# Altium PCB AD-FMComms3_revA.PcbDoc (part 3 of 6)
Units mil, origin at the board's own origin, x right, y up, seen from the top; angles counter-clockwise.
Board outline 3311.81 x 2716.54 mil, 10 copper layers (TOP, L2_GND, L3_PWR, L4_GND, L5_SIG, L6_SIG, L7_GND, L8_PWR, L9_GND, BOTTOM), stack 60.05 mil thick; 211 components, 138 nets, 808 pads, 812 vias.
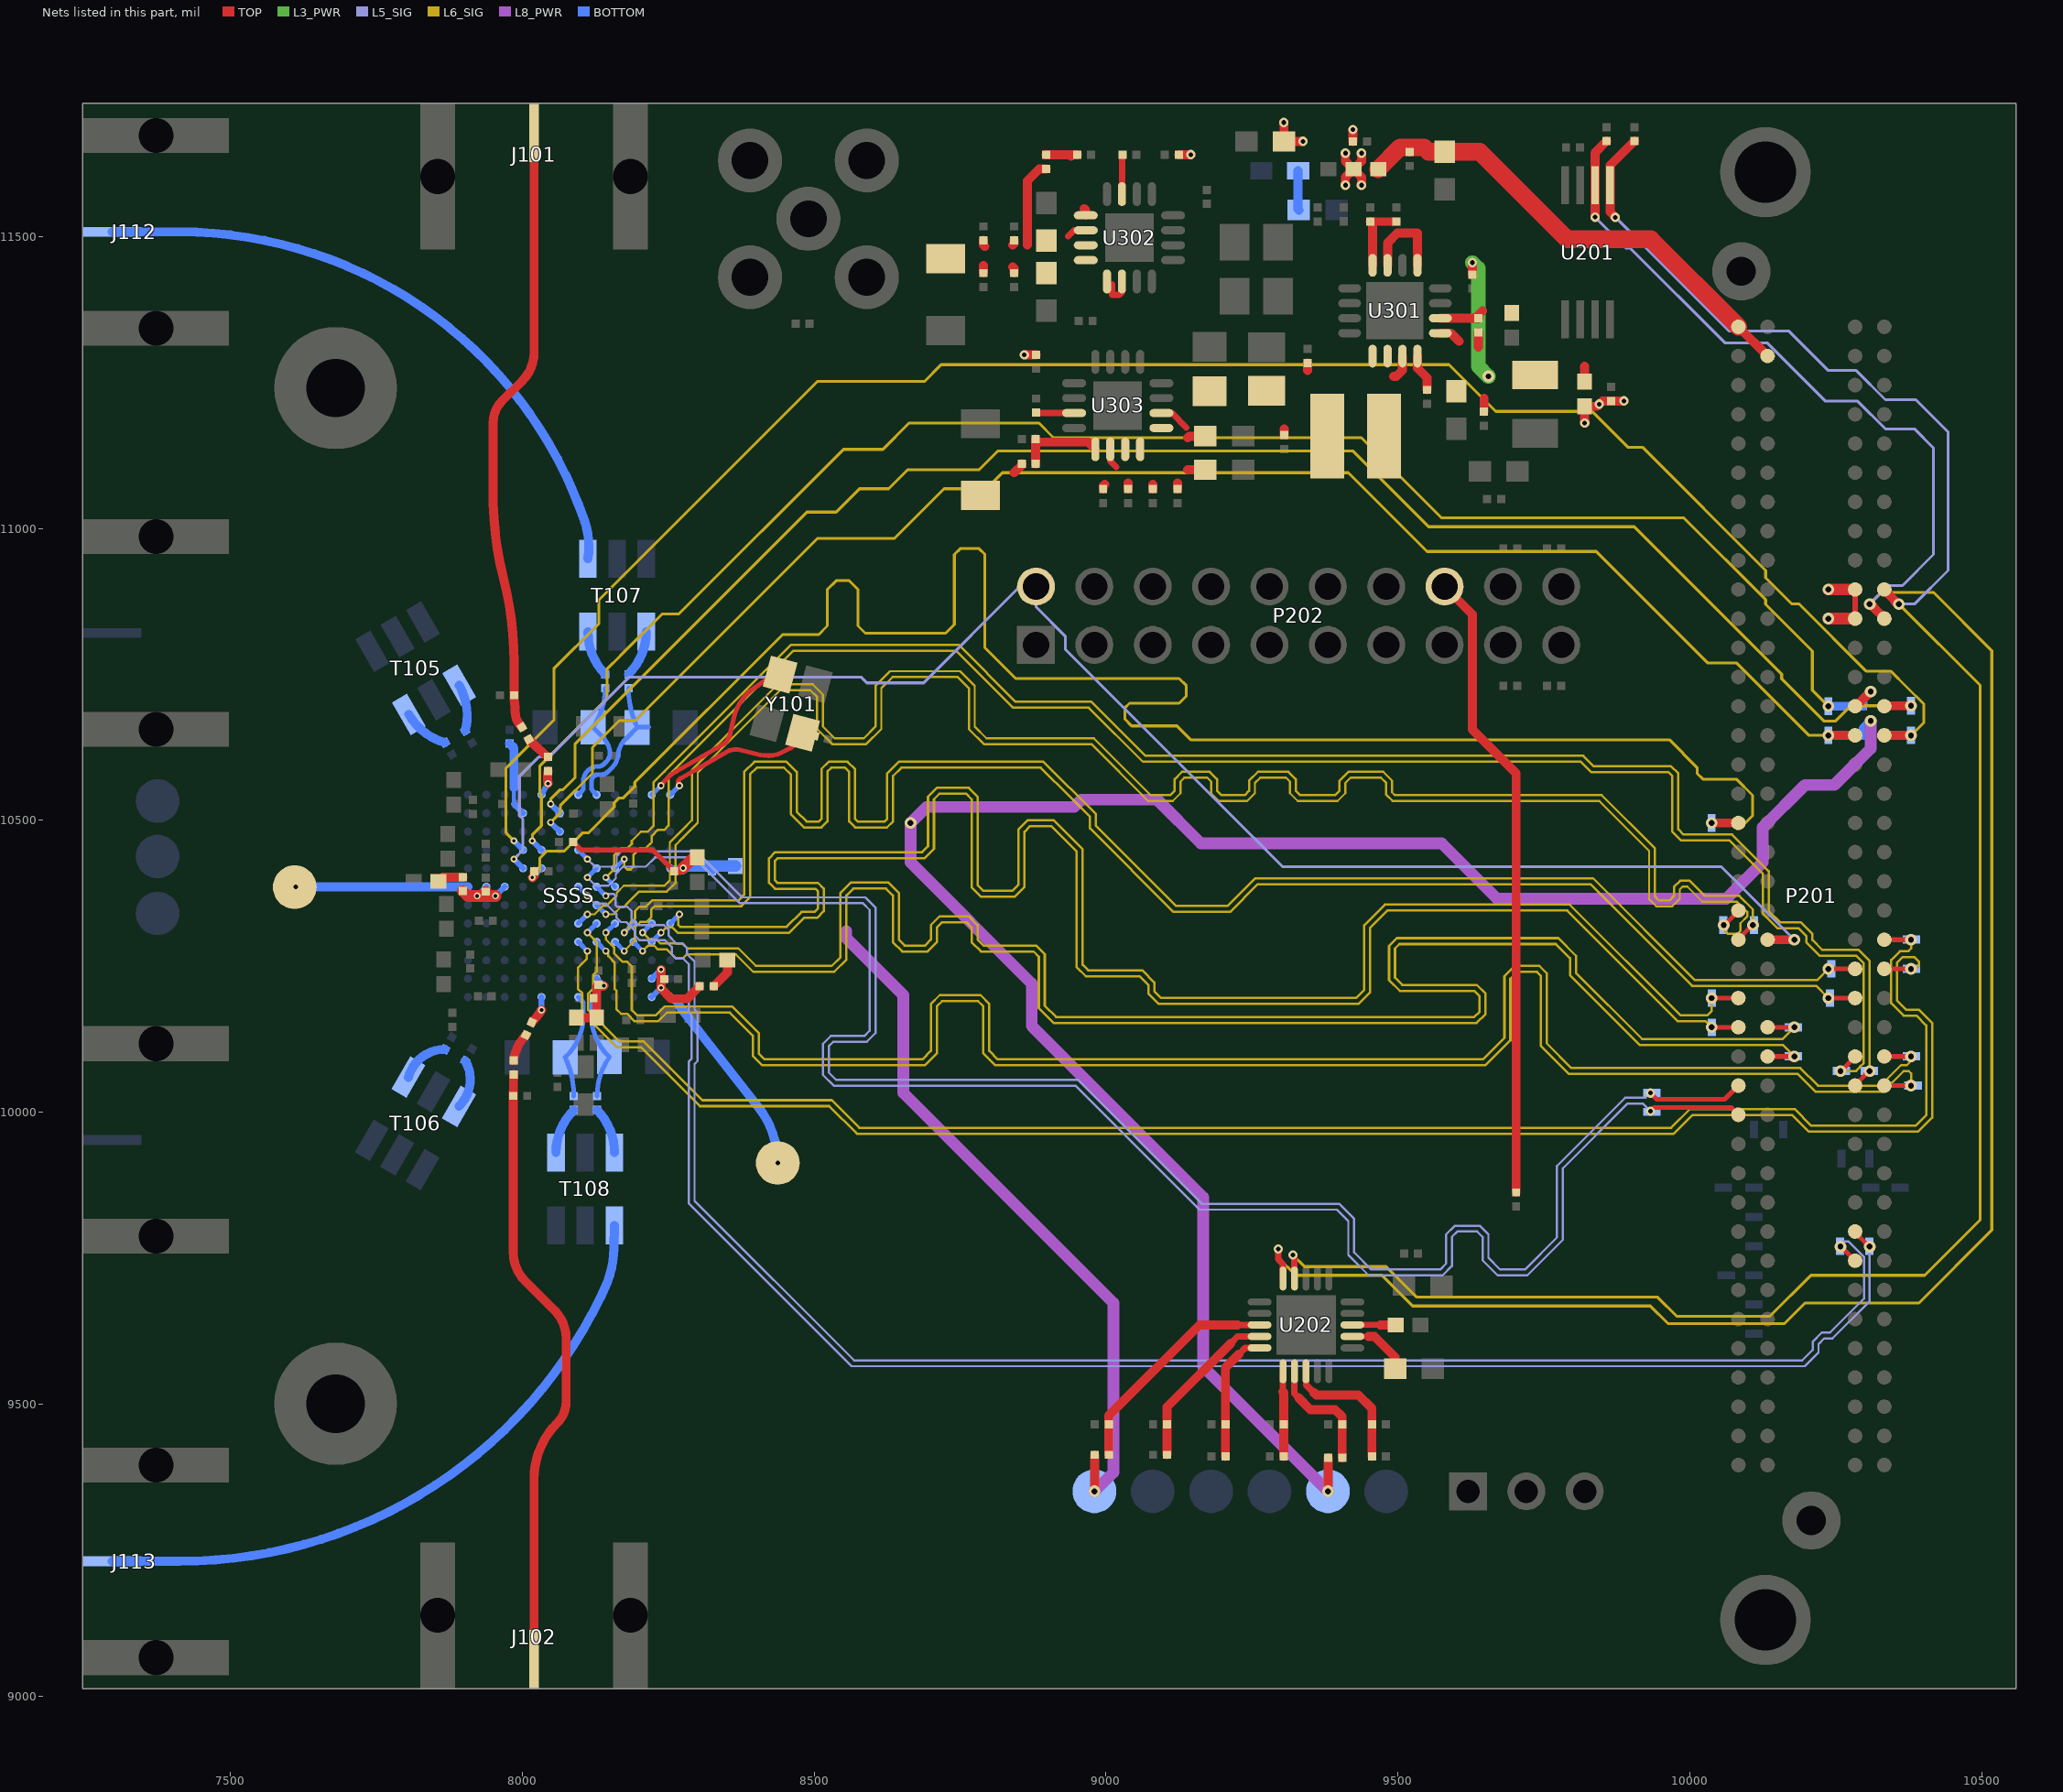
[diagram p11: the nets of this part, all layers, seen from the top]

## Via types
v1: diameter 20, hole 10, TOP to BOTTOM, 458 vias
v2: diameter 16, hole 8, TOP to BOTTOM, 196 vias
v3: diameter 12, hole 6, TOP to BOTTOM, 135 vias
v4: diameter 28, hole 12, TOP to BOTTOM, 19 vias
v5: diameter 210, hole 160, TOP to BOTTOM, 2 vias
v6: diameter 155, hole 105, TOP to BOTTOM, 2 vias

## Nets (pads, with @x,y where several pads share a name; then routed paths per layer and width w, separated by ;. In a path a pad name is that pad's centre, name@x,y a point inside that pad or via, vN(x,y) a via of type N, cw(c..) or ccw(c..) an arc to the next point about the centre after c; other vN are vias at no path point) (continued)
RX_D5_N: P201.H14 SSSS.J7 TP206.1 | length 2987.4
  TOP w8: v2(9932.5,10032.78) 9943.28,10022 10059.77,10022 P201.H14@10083.27,10045.5
  L5_SIG w3.8: v3(8111.49,10433.5) 8124.48,10420.51 8157.5,10420.51 8161.58,10424.59 8161.58,10438.83 8169.13,10446.38 8183.37,10446.38 8183.48,10446.49 8298.29,10446.49 8376.78,10368 8587.5,10368 8605,10350.5 8605,10135.5 8590,10120.5 8532.5,10120.5 8525,10113 8525,10068 8537.5,10055.5 8951.65,10055.5 9164.15,9843 9399.6,9843 9425,9817.6 9425,9759.65 9454.15,9730.5 9572.5,9730.5 9582.5,9740.5 9582.5,9790.5 9597.5,9805.5 9640,9805.5 9655,9790.5 9655,9750.5 9675,9730.5 9717.5,9730.5 9772.5,9785.5 9772.5,9908 9889.28,10024.78 9924.5,10024.78 v2(9932.5,10032.78)
  BOTTOM w8: SSSS.J7@8095.75,10449.24 v3(8111.49,10433.5)
RX_D5_P: P201.H13 SSSS.H8 TP205.1 | length 2989.1
  TOP w8: v2(9932.5,10001.58) 9938.92,10008 10070.77,10008 P201.H13@10083.27,9995.5
  L5_SIG w3.8: v3(8111.5,10402) 8125.5,10388 8147.5,10388 8160,10400.5 8160,10408 8172.07,10420.07 8172.07,10420.33 8172.32,10420.58 8200.62,10420.58 ; 8200.63,10420.59 8211.33,10420.59 8227.23,10436.49 8294.14,10436.49 8372.63,10358 8583.35,10358 8595,10346.35 8595,10139.65 8585.85,10130.5 8528.35,10130.5 8515,10117.15 8515,10063.85 8533.35,10045.5 8947.5,10045.5 9160,9833 9395.45,9833 9415,9813.45 9415,9755.5 9450,9720.5 9576.65,9720.5 9592.5,9736.35 9592.5,9786.35 9601.65,9795.5 9635.85,9795.5 9645,9786.35 9645,9746.35 9670.85,9720.5 9721.65,9720.5 9782.5,9781.35 9782.5,9903.85 9893.43,10014.78 9919.3,10014.78 v2(9932.5,10001.58)
  BOTTOM w8: v3(8111.5,10402) SSSS.H8@8127.24,10417.74
RX_EXT_LO: SSSS.G1 TP102.1 | length 294.9
  BOTTOM w15.5: v2(7611.99,10386.01) 7809.26,10386.01 7809.5,10386.25 SSSS.G1@7906.77,10386.25
RX_FRAME_N: P201.D9 SSSS.G7 TP221.1 | length 2997.5
  TOP w8: P201.D9@10283.27,9795.5 10283.27,9793.86 10301.81,9775.32 10301.81,9773.68 v1(10308.27,9769.68)
  L5_SIG w3.8: v3(8111.49,10370.51) 8124.85,10357.15 8143.09,10357.15 8161.14,10339.1 8161.14,10333.2 8168.69,10325.65 8178.2,10325.65 8193.09,10310.76 8193.09,10302.17 8200.64,10294.62 8211.34,10294.62 8232.11,10294.61 8244.24,10294.6 8256.08,10282.76 8256.08,10270.66 8263.63,10263.11 8275.74,10263.11 8285,10253.85 8285,10171.35 8290,10166.35 8290,10091.65 8285,10086.65 8285,9843.85 8564.07,9564.78 10196.78,9564.78 10220.55,9588.55 10220.55,9602.51 10230.44,9612.4 10244.4,9612.4 10308.27,9676.27 v1(10308.27,9769.68)
  BOTTOM w8: SSSS.G7@8095.75,10386.25 v3(8111.49,10370.51)
RX_FRAME_P: P201.D8 SSSS.G8 TP220.1 | length 3000.3
  TOP w8: v1(10258.27,9769.68) 10264.73,9765.68 10264.73,9764.04 P201.D8@10283.27,9745.5
  L5_SIG w3.8: v3(8142.98,10370.51) 8146.22,10373.75 8156.75,10373.75 8159.44,10371.06 8159.44,10354.95 8162.49,10351.9 8179.84,10351.9 8187.39,10344.35 8187.39,10330.62 8197.59,10320.42 8211.34,10320.42 8242.83,10320.41 8250.38,10312.86 8250.38,10302.61 8264.08,10288.91 8274.33,10288.91 8281.88,10281.36 8281.88,10271.12 8295,10258 8295,10175.5 8300,10170.5 8300,10087.5 8295,10082.5 8295,9848 8568.22,9574.78 10192.63,9574.78 10210.55,9592.7 10210.55,9606.66 10226.29,9622.4 10240.25,9622.4 10298.27,9680.42 10298.27,9752.23 10271.73,9778.77 10262.81,9778.77 10258.27,9774.23 v1(10258.27,9769.68)
  BOTTOM w8: SSSS.G8@8127.24,10386.25 v3(8142.98,10370.51)
SCL: P201.C30 R211.1 U201.6 U202.15 | length 3900.7
  TOP w11: v2(9295,9765.5) 9295,9748 9303.13,9739.87 U202.15@9303.13,9715
  TOP w15.5: v2(9837.8,11533.3) U201.6@9837.8,11587.96 9837.8,11643.8 R211.1@9857.5,11663.5 ; v1(10308.27,10870.5) 10314.73,10866.5 10314.73,10864.86 10333.27,10846.32 P201.C30@10333.27,10845.5
  L5_SIG w4.9: v2(9837.8,11533.3) 9890.6,11480.5 9897.5,11480.5 10060,11318 10132.5,11318 10232.5,11218 10287.5,11218 10335,11170.5 10385,11170.5 10417.5,11138 10417.5,10955.5 10364.23,10902.23 10340,10902.23 v1(10308.27,10870.5)
  L6_SIG w4.9: v2(9295,9765.5) 9295,9750.5 9325,9720.5 9472.5,9720.5 9525,9668 9932.5,9668 9962.5,9638 10162.5,9638 10197.5,9673 10392.5,9673 10517.5,9798 10517.5,10790.5 10417.5,10890.5 10328.27,10890.5 v1(10308.27,10870.5)
SDA: P201.C31 R212.1 U201.5 U202.14 | length 3699.2
  TOP w11: v2(9320,9755.5) 9322.81,9752.69 U202.14@9322.81,9715
  TOP w15.5: v2(9872.5,11533) 9863.39,11542.11 U201.5@9863.39,11587.96 9863.39,11621.89 R212.1@9905,11663.5 ; P201.C31@10333.27,10895.5 10333.27,10894.68 10351.81,10876.14 10351.81,10874.5 v1(10358.27,10870.5)
  L5_SIG w4.9: v2(9872.5,11533) 10067.5,11338 10170,11338 10237.5,11270.5 10285,11270.5 10335,11220.5 10387.5,11220.5 10442.5,11165.5 10442.5,10928 10385,10870.5 v1(10358.27,10870.5)
  L6_SIG w4.9: v2(9320,9755.5) 9340,9735.5 9480,9735.5 9532.5,9683 9945,9683 9977.5,9650.5 10137.5,9650.5 10207.5,9720.5 10402.5,9720.5 10497.5,9815.5 10497.5,10731.27 v1(10358.27,10870.5)
SPI_CLK: R225.2 SSSS.J5 TP229.1 | length 2896.5
  L6_SIG w4.9: v3(8017.01,10464.99) 8017.01,10475.01 8032.5,10490.5 8032.5,10543 8030,10545.5 8030,10593.5 8145,10708.5 8145,10758.75 8167.53,10781.28 8167.53,10781.46 8239.53,10853.46 8267.96,10853.46 8550,11135.5 8617.5,11135.5 8662.5,11180.5 8885,11180.5 8910,11155.5 9437.5,11155.5 9575,11018 9990,11018 10130,10878 10130,10869.91 10210,10789.91 10210,10722.95 v1(10237.45,10695.5)
  BOTTOM w15.5: v1(10237.45,10695.5) R225.2@10273,10695.5
SPI_DI: P201.C26 SSSS.J4 TP236.1 | length 3277.6
  TOP w15.5: P201.C26@10333.27,10645.5 v1(10379.09,10645.5)
  L6_SIG w4.9: v3(7985.51,10464.99) 7972.06,10478.44 7972.06,10589.5 8054,10671.44 8054,10759.8 8131.25,10837.05 8131.25,10877.75 8505.25,11251.75 8688.75,11251.75 8717.5,11280.5 9587.5,11280.5 9667.5,11200.5 9832.5,11200.5 9893.75,11139.25 9918.75,11139.25 10130,10928 10130,10915.5 10175,10870.5 10187.5,10870.5 10302.79,10755.21 10344.7,10755.21 10371.86,10728.05 10372.04,10728.05 10401.15,10698.94 10401.15,10667.56 v1(10379.09,10645.5)
SPI_DO: P201.C27 SSSS.L6 TP237.1 | length 2874.3
  TOP w15.5: P201.C27@10333.27,10695.5 10333.27,10696.32 v1(10379.09,10696.32)
  L6_SIG w4.9: v3(8048.5,10527.98) 8048.5,10536.5 8064.55,10552.55 8069.82,10552.55 8090,10572.73 8090,10630.5 8487.5,11028 8537.5,11028 8577.5,11068 8627.5,11068 8660,11100.5 8782.5,11100.5 8815,11133 9422.5,11133 9552.5,11003 9905,11003 10157.5,10750.5 10157.5,10742.41 10230.13,10669.78 10249.28,10669.78 10275.82,10696.32 v1(10379.09,10696.32)
SPI_ENB: P201.D26 R226.2 SSSS.K6 TP228.1 | length 2738.1
  TOP w15.5: v1(10237.45,10645.5) P201.D26@10283.27,10645.5
  L6_SIG w4.9: v3(8048.5,10496.48) 8065,10512.98 8065,10525.5 8120,10580.5 8120,10624.68 8166.02,10670.7 8193.12,10670.7 8505.42,10983 8637.5,10983 8722.5,11068 8795,11068 8822.5,11095.5 9415,11095.5 9550,10960.5 9840,10960.5 10031.16,10769.34 10080.57,10769.34 10204.41,10645.5 v1(10237.45,10645.5)
  BOTTOM w15.5: v1(10237.45,10645.5) R226.2@10273,10645.5
SYNC_IN: P201.H23 R111.2 SSSS.H5 TP211.1 | length 3259.7
  TOP w15.5: v3(8017.01,10401.99) 8020.5,10405.48 R111.2@8020.5,10413 ; v1(10037.45,10495.5) P201.H23@10083.27,10495.5
  L6_SIG w4.9: v3(8017.01,10401.99) 8030,10414.98 8030,10435.5 8041.45,10446.95 8071.45,10446.95 8102.95,10478.45 8112.95,10478.45 8157.3,10522.8 8157.3,10530.08 8165.17,10537.95 8172.45,10537.95 8192.54,10558.04 8192.54,10565.06 8445.48,10818 8507.5,10818 8522.5,10833 8522.5,10895.5 8537.5,10910.5 8560,10910.5 8575,10895.5 8575,10833 8587.5,10820.5 8725,10820.5 8740,10835.5 8740,10955.5 8750,10965.5 8782.5,10965.5 8792.5,10955.5 8792.5,10795.5 8845,10743 9125,10743 9137.5,10730.5 9137.5,10713 9125,10700.5 9040,10700.5 9032.5,10693 9032.5,10673 9043.75,10661.75 9121.25,10661.75 9145,10638 9965,10638 10012.5,10590.5 10012.5,10580.5 10022.5,10570.5 10080,10570.5 10107.5,10543 10107.5,10508 10095,10495.5 v1(10037.45,10495.5)
  BOTTOM w10: v3(8017.01,10401.99) SSSS.H5@8032.76,10417.74
TX1A: J112.1 T107.3 | length 1090.4
  BOTTOM w15.5: J112.1@7297.5,11508 7412.5,11508 cw(c7412.5,10774.24) 8106.87,11011.41 cw(c7982.69,10969) T107.3@8112.22,10947.98
TX1A_N: C122.1 L101.2 SSSS.M8 | length 244.1
  BOTTOM w8: SSSS.M8@8127.24,10543.73 8120.84,10550.13 cw(c8126.49,10555.78) 8118.5,10555.78 8118.5,10566.9 cw(c8130,10566.9) 8130,10578.4 8135.85,10578.4 ccw(c8135.85,10592.52) 8145.84,10582.54 8153.36,10590.06 8153.56,10590.27 ccw(c8125.99,10617.84) 8163.47,10607.1 ccw(c8125.99,10617.84) 8164.89,10615.22 ccw(c8125.99,10617.87) 8164.98,10617.84 cw(c8209.62,10607.09) 8168.49,10627.5 cw(c8209.62,10607.08) 8177.15,10639.55 L101.2@8196.6,10659 ; C122.1@8181.82,10726.26 ccw(c8337.73,10726.26) 8196.6,10660 L101.2@8216.54,10660
TX1A_P: C123.1 L103.2 SSSS.M7 | length 225
  BOTTOM w8: SSSS.M7@8095.75,10543.73 8102.16,10550.14 ccw(c8096.51,10555.79) 8104.5,10555.79 8104.5,10566.9 cw(c8130,10566.9) 8130,10592.4 ccw(c8130.01,10606.62) 8140.06,10596.56 8143.46,10599.97 ccw(c8126.9,10616.22) 8150.1,10616.22 ccw(c8105.01,10611.31) 8148.96,10622.52 ccw(c8105.01,10611.32) 8137.08,10643.39 L103.2@8120.98,10659.5 ccw(c8024.47,10726.26) C123.1@8141.82,10726.26
TX2A: J113.1 T108.3 | length 1139.7
  BOTTOM w15.5: J113.1@7297.5,9230.5 7412.5,9230.5 ccw(c7412.5,10031.61) 8146,9709.5 ccw(c7979.93,9771.04) 8157,9767.5 T108.3@8157.77,9806.02
TX2A_N: C124.1 L105.2 SSSS.A7 | length 183.6
  BOTTOM w8: C124.1@8088.17,10027.74 ccw(c7932.26,10027.74) L105.2@8073.39,10094 8075.73,10096.34 ccw(c8006.27,10165.8) 8104.5,10165.8 8104.5,10185.21 ccw(c8096.51,10185.21) 8102.16,10190.86 SSSS.A7@8095.75,10197.27
TX2A_P: C125.1 L107.2 SSSS.A8 | length 185.5
  BOTTOM w8: SSSS.A8@8127.24,10197.27 8120.84,10190.87 ccw(c8126.49,10185.22) 8118.5,10185.22 8118.5,10165.8 ccw(c8216.98,10165.79) 8147.34,10096.16 L107.2@8149.01,10094.5 ccw(c8245.52,10027.74) C125.1@8128.17,10027.74
TX_D0_N: P201.H17 SSSS.E12 TP208.1 | length 2969.7
  TOP w8: v1(10037.45,10195.5) P201.H17@10083.27,10195.5
  L6_SIG w4: v3(8268.97,10339) 8267.46,10337.49 8267.46,10320.54 8270.3,10317.7 8452.77,10317.7 8478.27,10343.2 8500.77,10343.2 8506.12,10348.55 8506.12,10378.77 8502.09,10382.8 8432.7,10382.8 8422.5,10393 8422.5,10434.73 8433.27,10445.5 8685,10445.5 8695,10455.5 8695,10540.5 8710,10555.5 8765,10555.5 8780,10540.5 8780,10389.22 8790,10379.22 8839.29,10379.22 8850,10389.93 8850,10484.73 8865.77,10500.5 8910,10500.5 8960,10450.5 8960,10252.43 8969.43,10243 9061.93,10243 9082.7,10222.23 9082.7,10207.23 9094.23,10195.7 9428.27,10195.7 9442.3,10209.73 9442.3,10320.3 9477.7,10355.7 9794.23,10355.7 9984.23,10165.7 10030,10165.7 10037.45,10173.15 v1(10037.45,10195.5)
  BOTTOM w8: SSSS.E12@8253.23,10323.26 v3(8268.97,10339)
TX_D0_P: P201.H16 SSSS.D11 TP207.1 | length 2965.4
  TOP w8: v1(10037.45,10145.5) P201.H16@10083.27,10145.5
  L6_SIG w4: v3(8237.47,10307.5) 8246.28,10316.31 8257.26,10316.31 8266.07,10307.5 8457,10307.5 8482.5,10333 8505,10333 8516.32,10344.32 8516.32,10383 8506.32,10393 8436.93,10393 8432.7,10397.23 8432.7,10430.5 8437.5,10435.3 8689.23,10435.3 8705.2,10451.27 8705.2,10536.27 8714.23,10545.3 8760.77,10545.3 8769.8,10536.27 8769.8,10384.99 8785.77,10369.02 8843.52,10369.02 8860.2,10385.7 8860.2,10480.5 8870,10490.3 8905.77,10490.3 8949.8,10446.27 8949.8,10248.2 8965.2,10232.8 9057.7,10232.8 9072.5,10218 9072.5,10203 9090,10185.5 9432.5,10185.5 9452.5,10205.5 9452.5,10316.07 9481.93,10345.5 9790,10345.5 9980,10155.5 10027.45,10155.5 v1(10037.45,10145.5)
  BOTTOM w8: SSSS.D11@8221.73,10291.76 v3(8237.47,10307.5)
TX_D1_N: P201.G16 SSSS.E11 TP219.1 | length 2965.5
  TOP w8: P201.G16@10133.27,10145.5 v1(10179.09,10145.5)
  L6_SIG w4: v3(8205.99,10307.52) 8217.81,10295.7 8229.8,10295.7 8236.49,10289.01 8274.37,10289.01 8282.88,10280.5 8370,10280.5 8399.8,10250.7 8530.2,10250.7 8545,10265.5 8545,10375.5 8562.7,10393.2 8627.3,10393.2 8645,10375.5 8645,10295.5 8655,10285.5 8690,10285.5 8700,10295.5 8700,10320.5 8715,10335.5 8765,10335.5 8780,10320.5 8780,10295.5 8790,10285.5 8880,10285.5 8895,10270.5 8895,10182.43 8914.43,10163 9630.57,10163 9639.8,10172.23 9639.8,10198.77 9630.77,10207.8 9503.27,10207.8 9484.8,10226.27 9484.8,10284.73 9498.27,10298.2 9774.8,10298.2 9805,10268 9805,10238.68 9918.18,10125.5 10159.09,10125.5 v1(10179.09,10145.5)
  BOTTOM w8: v3(8205.99,10307.52) SSSS.E11@8221.73,10323.26
TX_D1_P: P201.G15 SSSS.D10 TP218.1 | length 2948.2
  TOP w8: P201.G15@10133.27,10095.5 v1(10179.09,10095.5)
  L6_SIG w4: v3(8205.98,10276.01) 8212.97,10283 8213.07,10283 8215.57,10285.5 8225.57,10285.5 8232.26,10278.81 8247.79,10278.81 8263.59,10263.01 8274.37,10263.01 8281.66,10270.3 8365.77,10270.3 8395.57,10240.5 8534.43,10240.5 8555.2,10261.27 8555.2,10371.27 8566.93,10383 8623.07,10383 8634.8,10371.27 8634.8,10291.27 8650.77,10275.3 8694.23,10275.3 8710.2,10291.27 8710.2,10316.27 8719.23,10325.3 8760.77,10325.3 8769.8,10316.27 8769.8,10291.27 8785.77,10275.3 8875.77,10275.3 8884.8,10266.27 8884.8,10178.2 8910.2,10152.8 9634.8,10152.8 9650,10168 9650,10203 9635,10218 9507.5,10218 9495,10230.5 9495,10280.5 9502.5,10288 9770.57,10288 9794.8,10263.77 9794.8,10234.45 9913.95,10115.3 10159.29,10115.3 v1(10179.09,10095.5)
TX_D2_N: P201.D18 SSSS.E10 TP227.1 | length 2955.5
  TOP w8: v1(10237.45,10245.5) P201.D18@10283.27,10245.5
  L6_SIG w4: v3(8174.49,10307.51) 8182.78,10315.8 8182.78,10321.13 8192.99,10331.34 8192.99,10344.4 8200.6,10352.01 8211.51,10352.01 8222.7,10363.2 8370.77,10363.2 8380,10372.43 8380,10583 8397.5,10600.5 8452.5,10600.5 8470,10583 8470,10514.93 8486.93,10498 8508.07,10498 8512.5,10502.43 8512.5,10588 8525,10600.5 8556.93,10600.5 8570,10587.43 8570,10502.43 8574.43,10498 8620.57,10498 8625,10502.43 8625,10580.5 8645,10600.5 8892.5,10600.5 8982.5,10510.5 8982.5,10490.5 9119.8,10353.2 9208.27,10353.2 9255.77,10400.7 9834.23,10400.7 10008.18,10226.75 10218.7,10226.75 v1(10237.45,10245.5)
  BOTTOM w8: v3(8174.49,10307.51) SSSS.E10@8190.24,10323.26
TX_D2_P: P201.D17 SSSS.D9 TP226.1 | length 2965.8
  TOP w8: v1(10237.45,10195.5) P201.D17@10283.27,10195.5
  L6_SIG w3.8: v3(8174.49,10276.01) 8189.54,10291.06
  L6_SIG w4: 8189.54,10291.06 8192.99,10294.51 8192.99,10312.91 8193.26,10313.18 8193.26,10317.17 8202.1,10326.01 8212.88,10326.01 8220.49,10333.62 8220.49,10346.56 8226.93,10353 8375,10353 8390.2,10368.2 8390.2,10578.77 8401.73,10590.3 8448.27,10590.3 8459.8,10578.77 8459.8,10510.7 8482.7,10487.8 8512.3,10487.8 8522.7,10498.2 8522.7,10583.77 8529.23,10590.3 8552.7,10590.3 8559.8,10583.2 8559.8,10498.2 8570.2,10487.8 8624.8,10487.8 8635.2,10498.2 8635.2,10576.27 8649.23,10590.3 8888.27,10590.3 8939.03,10539.53 ; v1(10237.45,10195.5) 10216.4,10216.55 10003.95,10216.55 9830,10390.5 9260,10390.5 9212.5,10343 9115.57,10343 8972.3,10486.27 8972.3,10506.27 8948.07,10530.5 ; 8939.03,10539.54 8948.07,10530.5 ; 8939.03,10539.53 8948.07,10530.5
TX_D3_N: P201.C15 SSSS.E9 TP233.1 | length 2977.4
  TOP w8: P201.C15@10333.27,10095.5 v1(10379.09,10095.5)
  L6_SIG w4: v3(8142.99,10307.51) 8142.99,10296.26 8157.5,10281.75 8157.5,10271.7 8171.69,10257.51 8179.89,10257.51 8187.5,10249.9 8187.5,10174.91 8196.72,10165.7 8228.27,10165.7 8243.27,10180.7 8359.8,10180.7 8405,10135.5 8405,10100.5 8415,10090.5 8685.57,10090.5 8700,10104.93 8700,10185.5 8715,10200.5 8785,10200.5 8800,10185.5 8800,10104.93 8814.43,10090.5 9645.57,10090.5 9682.5,10127.43 9682.5,10233 9700,10250.5 9742.5,10250.5 9755,10238 9755,10118 9797.3,10075.7 10189.23,10075.7 10219.43,10045.5 10326.87,10045.5 10361.87,10080.5 10371.59,10080.5 10379.09,10088 v1(10379.09,10095.5)
  BOTTOM w8: v3(8142.99,10307.51) SSSS.E9@8158.74,10323.26
TX_D3_P: P201.C14 SSSS.D8 TP232.1 | length 2949.4
  TOP w8: P201.C14@10333.27,10045.5 v1(10379.09,10045.5)
  L6_SIG w4: v3(8142.99,10276.01) 8147.3,10271.7 8147.3,10267.47 8158.01,10256.76 8158.01,10211.37 8161.49,10207.89 8161.49,10176.13 8169.1,10168.52 8179.46,10168.52 8192.49,10155.5 8232.5,10155.5 8247.5,10170.5 8355.57,10170.5 8394.8,10131.27 8394.8,10096.27 8410.77,10080.3 8689.8,10080.3 8710.2,10100.7 8710.2,10181.27 8719.23,10190.3 8780.77,10190.3 8789.8,10181.27 8789.8,10100.7 8810.2,10080.3 9649.8,10080.3 9692.7,10123.2 9692.7,10228.77 9704.23,10240.3 9738.27,10240.3 9744.8,10233.77 9744.8,10113.77 9793.07,10065.5 10185,10065.5 10215.2,10035.3 10331.1,10035.3 10366.1,10070.3 10375.2,10070.3 10379.09,10066.41 v1(10379.09,10045.5)
TX_D4_N: P201.C19 SSSS.E8 TP235.1 | length 2982.7
  TOP w8: P201.C19@10333.27,10295.5 v1(10379.09,10295.5)
  L6_SIG w3.8: v3(8111.49,10307.51) 8127.31,10291.69 8127.31,10275.5
  L6_SIG w4: 8127.31,10275.5 8127.31,10240.88 8121.02,10234.59 8121.02,10211.37 8112.7,10203.05 8112.7,10174.73 8166.44,10120.99 8208.02,10120.99 8308.51,10020.5 8530,10020.5 8577.3,9973.2 9968.27,9973.2 10000.57,10005.5 10179.43,10005.5 10208.18,9976.75 10386.82,9976.75 10405,9994.93 10405,10148.57 10388.07,10165.5 10366.25,10165.5 10345,10186.75 10345,10260.5 10360,10275.5 10374.09,10275.5 10379.09,10280.5 v1(10379.09,10295.5)
  BOTTOM w8: v3(8111.49,10307.51) SSSS.E8@8127.24,10323.26
TX_D4_P: P201.C18 SSSS.D7 TP234.1 | length 2987.7
  TOP w8: P201.C18@10333.27,10245.5 v1(10379.09,10245.5)
  L6_SIG w3.8: v3@8110.56,10275.07 v3(8111.5,10276.01)
  L6_SIG w4: v3@8110.56,10275.07 8110.56,10262.92 8095.02,10247.38 8095.02,10211.37 8102.5,10203.89 8102.5,10170.5 8162.21,10110.79 8203.79,10110.79 8304.28,10010.3 8525.77,10010.3 8573.07,9963 9972.5,9963 10004.8,9995.3 10175.2,9995.3 10203.95,9966.55 10391.05,9966.55 10415.2,9990.7 10415.2,10152.8 10392.3,10175.7 10370.48,10175.7 10355.2,10190.98 10355.2,10256.27 10364.23,10265.3 10385.2,10265.3 10392.5,10258 10392.5,10250.5 10387.5,10245.5 v1(10379.09,10245.5)
  BOTTOM w8: SSSS.D7@8095.75,10291.76 v3(8111.5,10276.01)
TX_D5_N: P201.H20 SSSS.F8 TP210.1 | length 2937.6
  TOP w8: v1(10058.27,10320.5) 10064.73,10324.5 10064.73,10326.14 10083.27,10344.68 P201.H20@10083.27,10345.5
  L6_SIG w3.8: v3(8142.99,10339) 8156.24,10339 8169.14,10351.9 8173.9,10351.9 8179.6,10357.6 8179.84,10357.6 8200.24,10378 8247.5,10378 8262.6,10393.1 8262.6,10457.71 8275.55,10470.66 8291.88,10486.98 8291.88,10487.38 8300.42,10495.92 8300.42,10581.77 8441.65,10723 8493.35,10723 8505,10711.35 8505,10656.35 8530.85,10630.5 8589.15,10630.5 8615,10656.35 8615,10726.35 8634.15,10745.5 8745.85,10745.5 8765,10726.35 8765,10656.35 8790.85,10630.5 8975,10630.5 9072.5,10533 9114.15,10533 9127.5,10546.35 9127.5,10566.35 9134.15,10573 9173.35,10573 9180,10566.35 9180,10546.35 9193.35,10533 9241.65,10533 9255,10546.35 9255,10563.85 9264.15,10573 9308.35,10573 9315,10566.35 9315,10546.35 9328.35,10533 9396.66,10533 9410,10546.34 9410,10563.85 9419.15,10573 9470.85,10573 9480,10563.85 9480,10543.85 9490.85,10533 9845,10533 9930.33,10447.67 9930.33,10365.17 9942.5,10353 9970,10353 9982.92,10365.92 9982.92,10381.77 9987.55,10386.4 9995.89,10386.4 10021.79,10360.5 10080.85,10360.5 10098.27,10343.08 10098.27,10335.02 10086.87,10323.62 10086.87,10310.5 10081.87,10305.5 10065,10305.5 10057.5,10313 10057.5,10319.73 v1(10058.27,10320.5)
TX_D5_P: P201.H19 SSSS.E7 TP209.1 | length 2957.9
  TOP w8: P201.H19@10083.27,10295.5 10083.27,10296.32 10101.81,10314.86 10101.81,10316.5 v1(10108.27,10320.5)
  L6_SIG w3.8: v3(8111.49,10339) 8123.5,10339 8138.23,10353.73 8144.45,10353.73 8161.59,10370.87 8161.59,10375.85 8173.74,10388 8243.35,10388 8252.6,10397.25 8252.6,10461.86 8271.4,10480.66 8281.88,10491.13 8281.88,10491.53 8290.42,10500.07 8290.42,10585.92 8437.5,10733 8497.5,10733 8515,10715.5 8515,10660.5 8535,10640.5 8585,10640.5 8605,10660.5 8605,10730.5 8630,10755.5 8750,10755.5 8775,10730.5 8775,10660.5 8795,10640.5 8979.15,10640.5 9076.65,10543 9110,10543 9117.5,10550.5 9117.5,10570.5 9130,10583 9177.5,10583 9190,10570.5 9190,10550.5 9197.5,10543 9237.5,10543 9245,10550.5 9245,10568 9260,10583 9312.5,10583 9325,10570.5 9325,10550.5 9332.5,10543 9392.5,10543 9400,10550.5 9400,10568 9415,10583 9475,10583 9490,10568 9490,10548 9495,10543 9849.15,10543 9940.33,10451.82 9940.33,10369.32 9946.65,10363 9965.85,10363 9972.92,10370.07 9972.92,10385.92 9983.4,10396.4 10000.04,10396.4 10025.94,10370.5 10085,10370.5 10108.27,10347.23 v1(10108.27,10320.5)
  BOTTOM w8: SSSS.E7@8095.75,10323.26 v3(8111.49,10339)
TX_EXT_LO: SSSS.A12 TP101.1 | length 322.7
  BOTTOM w15.5: 8268.98,10181.52 8314.01,10123.99 8404.7,10008.13 cw(c8283.16,9913) v2(8437.5,9913)
TX_FRAME_N: P201.D15 SSSS.H9 TP225.1 | length 2960.4
  TOP w8: v1(10258.27,10070.5) 10264.73,10074.5 10264.73,10076.14 10283.27,10094.68 P201.D15@10283.27,10095.5
  L6_SIG w4: v3(8174.48,10433.48) 8174.48,10421.02 8179.67,10415.83 8185.33,10415.83 8190,10420.5 8190,10440.5 8201.48,10451.98 8211.38,10451.98 8218.99,10459.59 8221.94,10462.53 8221.94,10473.35 8231.69,10483.1 8232.08,10483.48 8242.86,10483.48 8250.47,10491.09 8250.47,10513.57 ; 8250.48,10513.58 8250.48,10576.44 8464.54,10790.5 8743.07,10790.5 8840.57,10693 8970.57,10693 9063.27,10600.3 9813.27,10600.3 9830.77,10582.8 9963.27,10582.8 9970,10576.07 9970,10480.5 9985,10465.5 10068.07,10465.5 10125,10408.57 10125,10340.5 10150.2,10315.3 10185.77,10315.3 10200,10301.07 10200,10290.5 10222.2,10268.3 10284.7,10268.3 10298.07,10254.93 10298.07,10084.35 10291.27,10077.55 10291.27,10076.77 10285,10070.5 v1(10258.27,10070.5)
  BOTTOM w8: SSSS.H9@8158.74,10417.74 v3(8174.48,10433.48)
TX_FRAME_P: P201.D14 SSSS.G9 TP224.1 | length 2964.8
  TOP w8: P201.D14@10283.27,10045.5 10283.27,10046.32 10301.81,10064.86 10301.81,10066.5 v1(10308.27,10070.5)
  L6_SIG w4: v3(8142.99,10402) 8157.5,10416.51 8157.5,10440.37 8169.11,10451.98 8179.89,10451.98 8187.5,10459.59 8187.5,10464.89 8203.17,10480.56 8214.72,10480.56 8224.47,10490.31 8224.47,10501.87 ; 8224.48,10501.88 8224.48,10564.88 8243.26,10583.66 8460.31,10800.7 8747.3,10800.7 8844.8,10703.2 8974.8,10703.2 9067.5,10610.5 9817.5,10610.5 9835,10593 9967.5,10593 9980.2,10580.3 9980.2,10484.73 9989.23,10475.7 10072.3,10475.7 10135.2,10412.8 10135.2,10344.73 10154.43,10325.5 10190,10325.5 10210.2,10305.3 10210.2,10294.73 10226.43,10278.5 10288.93,10278.5 10308.27,10259.16 v1(10308.27,10070.5)
  BOTTOM w8: v3(8142.99,10402) SSSS.G9@8158.74,10386.25
TX_MON1: C101.2 SSSS.M5 | length 44.1
  TOP w15.5: C101.2@8043.75,10584.75 ccw(c8110.24,10574.31) v3(8043.89,10563.01)
  BOTTOM w10: SSSS.M5@8032.76,10543.73 v3(8043.89,10563.01)
TX_MON2: C102.2 SSSS.A5 | length 49.1
  TOP w15.5: C102.2@8016.32,10153.88 ccw(c7939.79,10230.41) v3(8032.76,10175)
  BOTTOM w10: v3(8032.76,10175) SSSS.A5@8032.76,10197.27
TX_VCO_1P1V_SUPPLY: C104.2 R123.1 SSSS.A11 SSSS.B11 | length 167.4
  TOP w15.5: v3(8237.48,10244.52) C104.2@8237.48,10222.48 ; C104.2@8243,10228 C104.2@8237.48,10222.48 ; R123.1@8303.75,10215.75 8282.27,10194.27 8255.12,10194.27 8237.48,10211.91 v3(8237.48,10213.02) C104.2@8237.48,10222.48
  BOTTOM w10: SSSS.A11@8221.73,10197.27 v3(8237.48,10213.02) ; SSSS.B11@8221.73,10228.77 v3(8237.48,10244.52)
TXNRX: P201.G19 P202.2 SSSS.H4 | length 2807.8
  TOP w15.5: P201.G19@10133.27,10295.5 v1(10179.09,10295.5)
  L5_SIG w4.9: v3(7985.51,10433.49) 8000.75,10448.73 8000.75,10502.25 7995,10508 7995,10575.5 8028,10608.5 8046,10608.5 8183,10745.5 8580,10745.5 8590,10735.5 8687.5,10735.5 8852.5,10900.5 P202.2@8880,10900.5 8880,10865.5 8930,10815.5 8930,10793 9302.5,10420.5 10054.09,10420.5 v1(10179.09,10295.5)
UNNAMED_2_AD9361_I22_RBIAS: R125.1 SSSS.L4 | length 106.3
  BOTTOM w7: 7985.51,10527.98 7985.51,10555.92
  BOTTOM w15.5: R125.1@7978.25,10631.25 7985.51,10623.99 7985.51,10555.92
UNNAMED_2_AD9361_I22_RXVCOLDOOU: C116.1 R124.1 SSSS.G2 SSSS.G3 | length 111.5
  TOP w20: R124.1@7898.25,10378.75 7906.5,10370.5 v3(7922.52,10370.5) 7939.8,10370.5 ; C116.1@7937.5,10377.78 ccw(c7950.17,10377.78) 7939.8,10370.5 ; v3(7954.01,10370.5) 7939.8,10370.5
  BOTTOM w10: v3(7922.52,10370.5) SSSS.G2@7938.27,10386.25 ; v3(7954.01,10370.5) SSSS.G3@7969.76,10386.25
UNNAMED_2_CAP_I19_N1: C117.1 R124.2 | length 45
  TOP w15.5: C117.1@7856.25,10395.5 7863.5,10402.75 R124.2@7898.25,10402.75
UNNAMED_2_CAP_I51_N1: C105.1 R123.2 | length 54.5
  TOP w15.5: R123.2@8327.75,10215.75 8351.25,10239.25 C105.1@8351.25,10260.5
UNNAMED_2_CAP_I135_N1: C106.1 T105.6 | length 80.7
  BOTTOM w15.5: T105.6@7892.05,10731.37 cw(c7788.74,10676.58) 7904.79,10690.97 cw(c7807.94,10678.96) C106.1@7902.07,10653.2
UNNAMED_2_CAP_I136_N1: C107.1 T105.4 | length 80.5
  BOTTOM w15.5: T105.4@7805.45,10681.37 ccw(c7895.63,10733.44) 7843.35,10643.38 ccw(c7895.58,10733.35) C107.1@7867.43,10633.2
UNNAMED_2_CAP_I137_N1: C108.1 T106.6 | length 84.6
  BOTTOM w15.5: T106.6@7804.74,10060.03 cw(c7868.26,10041.91) 7842.99,10102.94 cw(c7867.43,10043.92) C108.1@7867.43,10107.8
UNNAMED_2_CAP_I138_N1: C109.1 T106.4 | length 84.6
  BOTTOM w15.5: T106.4@7891.34,10010.03 ccw(c7846.68,10055.82) 7910.59,10058.44 ccw(c7855.74,10058.44) C109.1@7902.07,10087.8
UNNAMED_2_CAP_I199_N1: C102.1 R122.2 | length 49.2
  TOP w15.5: R122.2@7985,10088.75 cw(c8058.67,10079.63) C102.1@8006.18,10132.12
UNNAMED_2_CAP_I200_N1: C101.1 R121.2 | length 44.5
  TOP w15.5: R121.2@8011,10638.86 ccw(c8385.84,11013.7) C101.1@8043.75,10608.75
UNNAMED_2_CAP_I209_N2: C122.2 T107.6 | length 80.9
  BOTTOM w15.5: C122.2@8181.82,10750.26 ccw(c8110.04,10822.98) T107.6@8212.22,10822.98
UNNAMED_2_CAP_I210_N2: C123.2 T107.4 | length 80.5
  BOTTOM w15.5: T107.4@8112.22,10822.98 ccw(c8216.35,10822.98) C123.2@8141.82,10750.26
UNNAMED_2_CAP_I220_N2: C124.2 T108.6 | length 80.9
  BOTTOM w15.5: T108.6@8057.77,9931.02 cw(c8159.95,9931.02) C124.2@8088.17,10003.74
UNNAMED_2_CAP_I221_N2: C125.2 T108.4 | length 80.5
  BOTTOM w15.5: C125.2@8128.17,10003.74 cw(c8053.64,9931.02) T108.4@8157.77,9931.02
UNNAMED_2_CNBNC5P_I182_CNTR: J101.1 R101.2 R121.1 | length 1048.4
  TOP w15.5: R121.1@7999,10659.64 cw(c8026.78,10687.42) 7987.5,10686.75 ccw(c7879.03,10686.71) 7986.62,10700.5 cw(c8094.23,10714.21) R101.2@7985.75,10714.25 7985.75,10770.5 ccw(c7400.6,10770.5) 7967.5,10915.5 cw(c8515.51,11055.67) 7950,11043 7950,11181.79 cw(c8001.21,11181.79) 7965,11218 8000,11253 ccw(c7951.72,11301.28) 8020,11301.28 J101.1@8020,11678
UNNAMED_2_CNBNC5P_I183_CNTR: J102.1 R102.2 R122.1 | length 1048.1
  TOP w15.5: R122.1@7985,10064.75 cw(c7084.25,10064.75) R102.2@7984.25,10028 7984.25,9760.59 ccw(c8055.09,9760.59) 8005,9710.5 8055,9660.5 cw(c8006.72,9612.22) 8075,9612.22 8075,9504.21 cw(c8023.79,9504.21) 8060,9468 ccw(c8156.57,9371.43) 8020,9371.43 J102.1@8020,9063
UNNAMED_3_AD7291_I189_DCAP: C212.1 U202.8 | length 74.2
  TOP w10: U202.8@9422,9635.5 9470,9635.5
  TOP w15.5: 9470,9635.5 C212.1@9496.25,9635.5
UNNAMED_3_AD7291_I189_VIN0: R219.2 R220.2 U202.18 | length 389.9
  TOP w11: 9225,9635.5 U202.18@9263,9635.5
  TOP w15.5: R219.2@9004.5,9413 R220.2@9004.5,9465.5 9004.5,9480 9160,9635.5 9225,9635.5
UNNAMED_3_AD7291_I189_VIN1: R217.2 R218.2 U202.19 | length 290.5
  TOP w11: 9213.75,9604.25 9225.31,9615.81 U202.19@9263,9615.81
  TOP w15.5: R217.2@9104.5,9413 R218.2@9104.5,9465.5 9104.5,9495 9213.75,9604.25
UNNAMED_3_AD7291_I189_VIN2: R213.2 R214.2 U202.20 | length 224.4
  TOP w11: 9227.5,9585.5 9238.13,9596.13 U202.20@9263,9596.13
  TOP w15.5: R213.2@9204.5,9410.5 R214.2@9204.5,9465.5 9204.5,9562.5 9227.5,9585.5
UNNAMED_3_AD7291_I189_VIN3: R223.2 R224.2 U202.1 | length 146.1
  TOP w11: 9303.13,9521.13 U202.1@9303.13,9556
  TOP w15.5: 9303.13,9521.13 9304.5,9519.76 R224.2@9304.5,9465.5 R223.2@9304.5,9410.5
UNNAMED_3_AD7291_I189_VIN4: R206.2 R215.2 U202.2 | length 206.7
  TOP w11: U202.2@9322.81,9556 9322.81,9517.69 9330,9510.5
  TOP w15.5: 9330,9510.5 9350,9490.5 9392.5,9490.5 9404.5,9478.5 R206.2@9404.5,9465.5 R215.2@9404.5,9408
UNNAMED_3_AD7291_I189_VIN5: R221.2 R222.2 U202.3 | length 234.8
  TOP w11: U202.3@9342.5,9556 9342.5,9533 9355,9520.5
  TOP w15.5: 9355,9520.5 9360,9515.5 9432.5,9515.5 9455.5,9492.5 R222.2@9455.5,9465.5 R221.2@9455.5,9410.5
UNNAMED_3_AD7291_I189_VREF: C214.1 U202.7 | length 107.7
  TOP w10: U202.7@9422,9615.81 9449.69,9615.81
  TOP w15.5: 9449.69,9615.81 9459.69,9615.81 9495.25,9580.25 C214.1@9495.25,9560.5
UNNAMED_3_CAP_I66_N2: C205.2 P202.16 | length 1088.7
  TOP w15.5: P202.16@9580,10900.5 9627.5,10853 9627.5,10655.5 9702.5,10580.5 C205.2@9702.5,9862.5
UNNAMED_3_CN160PCDGH_I39_N27: P201.D27 R225.1 | length 67.5
  TOP w15.5: P201.D27@10283.27,10695.5 10285,10695.5 v1(10310,10720.5)
  BOTTOM w15.5: R225.1@10297,10695.5 10297,10707.5 v1(10310,10720.5)
UNNAMED_3_CN160PCDGH_I39_N30: P201.D30 P201.D31 | length 141.6
  TOP w9: P201.D30@10283.27,10845.5 P201.D31@10283.27,10895.5
  TOP w20: v1(10237.45,10845.5) P201.D30@10283.27,10845.5 ; v1(10237.45,10895.5) P201.D31@10283.27,10895.5
UNNAMED_3_DIOLED_I190_P: DS21.A R205.1 | length 68
  BOTTOM w15.5: DS21.A@9329,11613 9329,11546.75 R205.1@9330.25,11545.5
UNNAMED_4_ADP1755_I730_ADJ: R305.1 R312.2 U302.9 | length 68.8
  TOP w15.5: R305.1@8897.5,11640 8942,11640 ; 8940,11638 8942,11640 ; R312.2@8950.5,11640.5 8942.5,11640.5 8942,11640 ; 8962.5,11548 8965.2,11545.3 U302.9@8965.2,11536.39
UNNAMED_4_ADP1755_I730_SS: C311.1 U302.7 | length 68
  TOP w11: U302.7@9027.2,11572.8 9027.2,11639.7 C311.1@9028,11640.5
UNNAMED_4_ADP1755_I730_VOUT1: C312.1 C313.1 C314.1 C315.1 C338.1 C339.1 R305.2 R307.1 U302.10 U302.11 U302.12 U302.13 U302.14 | length 285.4
  TOP w11: 8935,11500.5 8945.3,11510.8 U302.10@8965.2,11510.8 ; 9010,11418 9010,11400.4 9022.4,11400.4 9027.2,11405.2 U302.14@9027.2,11423.2
  TOP w15.5: C339.1@8790,11437.5 8790,11450.5 ; C314.1@8790,11493.5 8790,11485.5 8792.5,11483 ; 8840,11448 8842.5,11445.5 C338.1@8842.5,11437.5 ; 8840,11485.5 8842.5,11488 C315.1@8842.5,11493.5 ; 8865,11485.5 8865,11595.5 8885.5,11616 R305.2@8897.5,11616
UNNAMED_4_ADP1755_I776_ADJ: R308.2 R309.1 U303.9 | length 149.7
  TOP w15.5: R309.1@8879.5,11110.5 R308.2@8879.5,11148 ; R308.2@8879.5,11153 R308.2@8879.5,11148 ; U303.9@8981.61,11135.7 8969.31,11148 R308.2@8879.5,11148
UNNAMED_4_ADP1755_I776_SS: C340.1 U303.7 | length 65.5
  TOP w11: C340.1@8880,11198.5 8880.8,11197.7 U303.7@8945.2,11197.7
UNNAMED_4_ADP1755_I776_VOUT1: C341.1 C342.1 C343.1 C344.1 C345.1 C346.1 R309.2 R311.1 U303.10 U303.11 U303.12 U303.13 U303.14 | length 207.4
  TOP w11: U303.10@9007.2,11135.7 9007.2,11115.8 9017.5,11105.5 ; U303.14@9094.8,11197.7 9112.8,11197.7 9137.5,11173
  TOP w15.5: 8842.5,11095.5 8855.5,11108.5 R309.2@8855.5,11110.5 ; C346.1@8995,11067.5 8995,11073 8997.5,11075.5 ; C343.1@9037.5,11067.5 9037.5,11078 ; C345.1@9080,11067.5 9080,11075.5 ; C344.1@9122.5,11067.5 9122.5,11078 ; 9140,11100.5 C342.1@9170.25,11100.5 ; 9140,11155.5 9142.5,11158 C341.1@9170.25,11158
UNNAMED_4_ADP2164_I831_FB: R302.2 R303.1 U301.4 | length 121.6
  TOP w14: R303.1@9452.5,11526 R302.2@9497.5,11526
  TOP w15.5: R303.1@9452.5,11526 9456.61,11520.11 U301.4@9456.61,11450.72
UNNAMED_4_ADP2164_I831_PVIN1: C301.1 C302.1 C303.1 E302.1 L302.2 R301.2 R304.2 U301.12 U301.13 | length 404.4
  TOP w15.5: U301.12@9533.39,11295.28 9533.39,11274.61 9550,11258 C302.1@9550,11237.5 ; U301.13@9572.72,11334.61 9590.89,11334.61 9605,11320.5 ; R304.2@9627.5,11435 v2(9627.5,11455.5) ; 9637.5,11310.5 R301.2@9637.5,11336 ; C303.1@9647.5,11200 9647.5,11223 ; E302.1@9820,11251.75 9820,11278
  L3_PWR w25: v2(9627.5,11455.5) 9637.5,11445.5 9637.5,11278 v1(9655,11260.5)
UNNAMED_4_ADP2164_I831_SW1: L301.1 U301.9 U301.10 U301.11 | length 44
  TOP w15.5: 9492.5,11260.5 9497.5,11260.5 9507.8,11270.8 U301.11@9507.8,11295.28
UNNAMED_4_ADP2164_I831_SYNC: C304.1 R301.1 U301.1 U301.3 U301.14 | length 233.2
  TOP w15.5: U301.3@9482.2,11450.72 9482.2,11489.25 9499.2,11506.25 9533.39,11506.25 U301.1@9533.39,11450.72 ; U301.14@9572.72,11360.2 R301.1@9637.5,11360.2 ; R301.1@9637.5,11360 R301.1@9637.5,11360.2 ; 9645,11373 9637.5,11365.5 R301.1@9637.5,11360.2
UNNAMED_4_CAP_I833_N2: C305.2 C306.1 C307.1 E301.1 L301.2 | length 23.5
  TOP w15.5: C306.1@9305,11160 9305,11170.5 ; 9345,11270.5 C307.1@9345,11283.5
VADJ: C347.1 C362.1 E312.1 P201.G39 P201.H40 | length 838.6
  TOP w15.5: C347.1@9520,11645 9520,11653 ; P201.H40@10083.27,11345.5 P201.G39@10133.27,11295.5
  TOP w30: E312.1@9466.25,11615.5 9503.75,11653 9520,11653 9545,11653 9552.75,11645.25 C362.1@9580,11645.25 9640.25,11645.25 9790,11495.5 9933.27,11495.5 P201.H40@10083.27,11345.5
VDD_INTERFACE: C348.1 C354.1 C355.1 C356.1 C357.1 C363.1 E303.1 E312.2 R103.1 R215.1 R226.1 R306.2 R310.2 SSSS.H12 TP243.1 | length 4076.2
  TOP w9: R103.1@8087,10463 8101,10449 8223.5,10449 C356.1@8260,10412.5
  TOP w12: C356.1@8260,10412.5 8269.76,10412.5 v3(8275.5,10418.24) ; C357.1@8294.01,10436.75 C357.1@8300,10436.75
  TOP w15.5: v2(8860,11297.5) R310.2@8880,11297.5 ; R306.2@9124.5,11640.5 v2(9145,11640.5) ; v2(9304.5,11695.5) 9304.75,11695.25 C363.1@9304.75,11663 9337,11663 v2(9337.25,11663.25) ; v1(9380,9350.5) 9380.5,9351 R215.1@9380.5,9408 ; v2(9410,11588) 9410,11601.75 E312.2@9423.75,11615.5 ; v2(9410,11643) 9410,11629.25 E312.2@9423.75,11615.5 ; C348.1@9423,11663 v2(9423,11683.5) ; v2(9437.5,11588) 9437.5,11601.75 E312.2@9423.75,11615.5 ; v2(9437.5,11643) 9437.5,11629.25 E312.2@9423.75,11615.5
  TOP w20: v3(8275.5,10418.24) C357.1@8294.01,10436.75
  L8_PWR w20: v1(9380,9350.5) 9166.3,9564.2 9166.3,9854.2 8872.5,10148 8872.5,10220.5 8665,10428 v1(8665,10495.5) 8692.5,10523 8945,10523 8957.5,10535.5 9087.5,10535.5 9162.5,10460.5 9575,10460.5 9670,10365.5 10062.5,10365.5 10125,10428 10125,10488 10197.5,10560.5 10247.5,10560.5 10310,10623 v1(10310,10670.5)
  BOTTOM w10: SSSS.H12@8253.23,10417.74 8275,10417.74 v3(8275.5,10418.24)
  BOTTOM w12: C355.1@8325,10412.5 8325,10421.75
  BOTTOM w15.5: R226.1@10297,10645.5 10297,10657.5 v1(10310,10670.5)
  BOTTOM w20: v3(8275.5,10418.24) 8279.01,10421.75 8325,10421.75 C354.1@8365,10421.75
VDDA_GPO: C319.1 C358.1 C359.1 C360.1 C361.1 E302.2 R219.1 SSSS.B8 TP240.1 | length 1436.1
  TOP w15.5: C358.1@8092.5,10161.75 C361.1@8127.5,10161.75 C360.1@8127.5,10195.5 ; C360.1@8122,10195.5 C360.1@8127.5,10195.5 ; C359.1@8130,10218.5 C359.1@8127.5,10216 ; v3(8139.51,10216.76) 8138.75,10216 C359.1@8127.5,10216 ; v1(8980,9350.5) 8980.5,9351 R219.1@8980.5,9413 ; v2(9820,11180.5) E302.2@9820,11209.25 9841.25,11209.25 v2(9845,11213) 9850.5,11218.5 C319.1@9865,11218.5 v2(9887,11218.5) ; C360.1@8127.5,10195.5 C359.1@8127.5,10216
  L8_PWR w20: 8555,10310.5 8555,10298 8652.5,10200.5 8652.5,10033 9012.5,9673 9012.5,9383 v1(8980,9350.5)
  BOTTOM w10: v3@8139.25,10216.76 v3(8139.51,10216.76)
XTALN: C113.2 SSSS.M12 Y101.1 | length 254.9
  TOP w8: v3(8268.98,10559.48) cw(c8274.89,10564.83) 8270.91,10571.73 8297.1,10586.83 8314.57,10596.9 8349.85,10617.31 cw(c8365.01,10591.11) 8373.14,10620.27 8407.52,10612.19 ccw(c8420.52,10667.51) 8442.73,10615.2 8459.69,10623.84 8478.51,10639.98 8479.91,10641.38 Y101.1@8479.91,10649.78
XTALP: SSSS.M11 Y101.3 | length 296.8
  TOP w8: v3(8237.48,10559.48) cw(c8304.68,10513.14) 8263.91,10583.86 8290.1,10598.96 8307.56,10609.04 8314.96,10613.3 8319.34,10615.84 8342.84,10629.43 ccw(c8329.49,10652.51) 8355.95,10649.21 8364.29,10683.07 cw(c8443.32,10657.4) 8395.36,10725.26 8435.65,10753.58 8439.47,10749.76 Y101.3@8441.47,10749.76
pads on no net: P201. P201.C2 P201.C3 P201.C6 P201.C7 P201.C22 P201.C23 P201.D4 P201.D5 P201.D20 P201.D21 P201.D29 P201.D33 P201.D34 P201.G2 P201.G3 P201.G30 P201.G31 P201.G33 P201.G34 P201.G36 P201.G37 P201.H1 P201.H5 P201.H32 P201.H34 P201.H35 P201.H37 P201.H38 SSSS.A3 SSSS.M3 U202.12 U302.8 U303.8
copper on no net: | length 1306.7
  TOP w20: v1(10037.45,9395.5) 10083.27,9395.5 ; v1(10037.45,10945.5) 10083.27,10945.5 ; v1(10037.45,11045.5) 10083.27,11045.5 ; v1(10037.45,11095.5) 10083.27,11095.5 ; v1(10037.45,11195.5) 10083.27,11195.5 ; v1(10037.45,11245.5) 10083.27,11245.5 ; 10133.27,9445.5 v1(10179.09,9445.5) ; 10133.27,9495.5 v1(10179.09,9495.5) ; 10133.27,10845.5 v1(10179.09,10845.5) ; 10133.27,10895.5 v1(10179.09,10895.5) ; 10133.27,10995.5 v1(10179.09,10995.5) ; 10133.27,11045.5 v1(10179.09,11045.5) ; 10133.27,11145.5 v1(10179.09,11145.5) ; 10133.27,11195.5 v1(10179.09,11195.5) ; v1(10237.45,9545.5) 10283.27,9545.5 ; v1(10237.45,9595.5) 10283.27,9595.5 ; v1(10237.45,10345.5) 10283.27,10345.5 ; v1(10237.45,10395.5) 10283.27,10395.5 ; v1(10237.45,10795.5) 10283.27,10795.5 ; v1(10237.45,10995.5) 10283.27,10995.5 ; v1(10237.45,11045.5) 10283.27,11045.5 ; 10333.27,9445.5 v1(10379.09,9445.5) ; 10333.27,9495.5 v1(10379.09,9495.5) ; 10333.27,9645.5 v1(10379.09,9645.5) ; 10333.27,9695.5 v1(10379.09,9695.5) ; 10333.27,10445.5 v1(10379.09,10445.5) ; 10333.27,10495.5 v1(10379.09,10495.5)
  BOTTOM w1: 8161,10761 8161,10786
  BOTTOM w10: v3(7954.02,10559.48) 7969.76,10543.73 ; v3(7969.76,10175) 7969.76,10197.27
  other v5: 7680,9500.5 7680,11240.5
  other v6: 10129.61,9129.98 10129.61,11610.29

## Polygon pours and split planes (outlines as drawn)
UNNAMED_4_ADP1755_I730_VOUT1 on TOP "TOP-UNNAMED_4_ADP1755_I730_VOUT1" (solid, pour order 9): 8875,11518 8977.78,11518 8986.28,11509.5 8986.28,11444.47 9032.5,11443.99 9032.5,11403 9012.5,11383 8905,11383 8865,11423 8865,11433 8692.5,11433 8692.5,11488 8702.5,11498 8855,11498 8875,11518
UNNAMED_4_ADP2164_I831_SYNC on TOP "TOP-UNNAMED_4_ADP2164_I831_SYNC" (solid, pour order 7): 9507.5,11498 9552.5,11543 9677.5,11543 9725,11495.5 9725,11363 9712.5,11350.5 9627.5,11350.5 9617.5,11360.5 9617.5,11385.5 9637.5,11405.5 9637.5,11460.5 9632.5,11465.5 9580,11465.5 9550,11435.5 9530,11435.5 9507.5,11458 9507.5,11498
UNNAMED_4_ADP2164_I831_PVIN1 on TOP "TOP-UNNAMED_4_ADP2164_I831_PVIN1" (solid, pour order 6): 9532.5,11240.5 9532.5,11263 9532.5,11300.5 9535,11303 9560,11303 9562.5,11305.5 9562.5,11330.5 9567.5,11335.5 9635,11335.5 9645,11325.5 9645,11300.5 9652.5,11293 9725,11293 9777.5,11293 9835,11293 9837.5,11290.5 9837.5,11250.5 9837.5,11245.5 9835,11243 9787.5,11243 9775,11230.5 9762.5,11218 9670,11218 9665,11213 9665,11205.5 9662.5,11203 9642.5,11203 9640,11205.5 9640,11210.5 9637.5,11213 9632.5,11213 9580,11213 9577.5,11215.5 9577.5,11230.5 9572.5,11235.5 9535,11235.5 9532.5,11238 9532.5,11240.5
UNNAMED_4_ADP2164_I831_SW1 on TOP "TOP-UNNAMED_4_ADP2164_I831_SW1" (solid, pour order 4): 9447.5,11310.5 9447.5,11248 9440,11240.5 9440,11085.5 9442.5,11083 9467.5,11083 9510,11083 9515,11088 9515,11248 9515,11308 9512.5,11310.5 9447.5,11310.5
VDD_INTERFACE on TOP "TOP-VDD_INTERFACE" (solid, pour order 0): 9402.5,11645.5 9402.5,11585.5 9407.5,11580.5 9440,11580.5 9445,11585.5 9445,11645.5 9440,11650.5 9407.5,11650.5 9402.5,11645.5
3P3V on TOP "TOP-3P3V" (solid, pour order 5): 9785,11190.5 9685,11190.5 9680,11185.5 9680,11130.5 9680,11035.5 9685,11030.5 9687.5,11030.5 9782.5,11030.5 9786.25,11034.25 9786.25,11189.25 9785,11190.5
UNNAMED_4_CAP_I833_N2 on TOP "TOP-UNNAMED_4_CAP_I833_N2" (solid, pour order 8): 9147.5,11260.5 9295,11260.5 9325,11290.5 9372.5,11290.5 9415,11248 9415,11085.5 9380,11085.5 9347.5,11085.5 9343.75,11089.25 9343.75,11156.75 9337.5,11163 9287.5,11163 9250,11200.5 9152.5,11200.5 9147.5,11205.5 9147.5,11260.5
UNNAMED_4_ADP1755_I730_ADJ on TOP "TOP-UNNAMED_4_ADP1755_I730_ADJ" (solid, pour order 1): 8985,11593 8932.5,11645.5 8920,11645.5 8917.5,11643 8917.5,11575.5 8963.5,11529.5 8976.22,11529.5 8985,11533.89 8985,11593
1P3_SUPPLY_B on TOP "TOP-1P3_SUPPLY_B" (solid, pour order 2): 8820,11211 8677.5,11211 8672.5,11206 8672.5,11116 8680,11108.5 8805.5,11108.5 8827.5,11130.5 8827.5,11203.5 8820,11211
UNNAMED_4_ADP1755_I776_VOUT1 on TOP "TOP-UNNAMED_4_ADP1755_I776_VOUT1" (solid, pour order 10): 9004,11070.5 8989,11058 8932.5,11058 8880,11023 8757.5,11023 8747.5,11033 8747.5,11095.5 8757.5,11105.5 8825,11105.5 8840,11120.5 8972.5,11120.5 8987.5,11135.78 9008.5,11156.78 9073.53,11156.78 9074,11201.78 9115,11203 9135,11183 9180,11183 9190,11173 9190,11083 9177.5,11070.5 9004,11070.5
1P8V on TOP "TOP-1P8V" (solid, pour order 11): 9081,11214.28 9073.5,11221.78 9073.5,11256.78 9066,11264.28 9006,11264.28 8999.44,11270.84 8999.44,11352.44 9045.46,11398.46 9044.54,11437.76 9051.28,11444.5 9074,11444.5 9093.78,11464.28 9093.78,11512 9105,11520.5 9132.5,11520.5 9165.11,11553.11 9165.04,11563 9177.5,11563 9242.5,11628 9390,11628 9390,11595.5 9415,11570.5 9460,11570.5 9460,11548 9272.5,11548 9247.5,11523 9247.5,11330.5 9131.28,11214.28 9081,11214.28
1P3_SUPPLY_A on TOP "TOP-1P3_SUPPLY_A" (solid, pour order 3): 8760,11370.5 8617.5,11370.5 8612.5,11365.5 8612.5,11275.5 8620,11268 8760,11268 8767.5,11275.5 8767.5,11363 8760,11370.5

## Other copper
TOP:
  drawing of 18 lines, arcs and shapes, not listed
  text "1" at 10502.6,11703 h31 r270

## Text inside footprints (layer, text, board x,y; h text height)
TP219: PIN_NUMBER "1" at 10167.5,10145.5 h25 r90; ASSEMBLY_BOTTOM "TP-108" at 10158.8,10164.3 h25; ASSEMBLY_BOTTOM "UPN" at 10094.8,10105.8 h25; PAD_STACK_NAME "TPSM70X135" at 9831.9,10137.1 h50 r90; PAD_STACK_NAME "14X30" at 10243.1,10153 h50 r90; DISPLAY_BOTTOM "DDMMMYY" at 10096.9,9922.3 h31; DISPLAY_BOTTOM "ADI/JDB" at 10090.7,10295.5 h31; DISPLAY_BOTTOM "02AUG13" at 10090.7,10245.5 h31; DISPLAY_BOTTOM "QA/XXX" at 10108.6,9958.6 h31; DISPLAY_BOTTOM "QA/XXX" at 10103.1,10045.5 h31; DISPLAY_BOTTOM "DDMMMYY" at 10091.4,10008.7 h31
TP220: PIN_NUMBER "1" at 10247.5,9770.5 h25 r180; ASSEMBLY_BOTTOM "TP-108" at 10178.7,9811.8 h25 r90; ASSEMBLY_BOTTOM "UPN" at 10267.2,9717.8 h25 r90; PAD_STACK_NAME "TPSM70X135" at 10065.9,9624.9 h50 r180; PAD_STACK_NAME "14X30" at 10150,9936.1 h50 r180; DISPLAY_BOTTOM "DDMMMYY" at 10393.9,9776.7 h31 r90; DISPLAY_BOTTOM "ADI/JDB" at 10020.7,9770.5 h31 r90; DISPLAY_BOTTOM "02AUG13" at 10070.7,9770.5 h31 r90; DISPLAY_BOTTOM "QA/XXX" at 10370,9776 h31 r90; DISPLAY_BOTTOM "QA/XXX" at 10283.1,9770.5 h31 r90; DISPLAY_BOTTOM "DDMMMYY" at 10307.5,9771.2 h31 r90
TP221: PIN_NUMBER "1" at 10297.5,9770.5 h25; ASSEMBLY_BOTTOM "TP-108" at 10266.3,9729.2 h25 r270; ASSEMBLY_BOTTOM "UPN" at 10237.8,9823.2 h25 r270; PAD_STACK_NAME "TPSM70X135" at 10099.1,9916.1 h50; PAD_STACK_NAME "14X30" at 10215,9604.9 h50; DISPLAY_BOTTOM "DDMMMYY" at 9997.5,9764.3 h31 r270; DISPLAY_BOTTOM "ADI/JDB" at 10370.7,9770.5 h31 r270; DISPLAY_BOTTOM "02AUG13" at 10320.7,9770.5 h31 r270; DISPLAY_BOTTOM "QA/XXX" at 10046.2,9765 h31 r270; DISPLAY_BOTTOM "QA/XXX" at 10133.1,9770.5 h31 r270; DISPLAY_BOTTOM "DDMMMYY" at 10083.9,9769.8 h31 r270
TP222: PIN_NUMBER "1" at 10250,9920.5 h25 r180; ASSEMBLY_BOTTOM "TP-108" at 10181.2,9961.8 h25 r90; ASSEMBLY_BOTTOM "UPN" at 10269.7,9867.8 h25 r90; PAD_STACK_NAME "TPSM70X135" at 10068.4,9774.9 h50 r180; PAD_STACK_NAME "14X30" at 10152.5,10086.1 h50 r180; DISPLAY_BOTTOM "DDMMMYY" at 10396.4,9926.7 h31 r90; DISPLAY_BOTTOM "ADI/JDB" at 10023.2,9920.5 h31 r90; DISPLAY_BOTTOM "02AUG13" at 10073.2,9920.5 h31 r90; DISPLAY_BOTTOM "QA/XXX" at 10372.5,9926 h31 r90; DISPLAY_BOTTOM "QA/XXX" at 10285.6,9920.5 h31 r90; DISPLAY_BOTTOM "DDMMMYY" at 10310,9921.2 h31 r90